# Altium PCB Main Board_V15.PcbDoc (part 3 of 5) (continued)
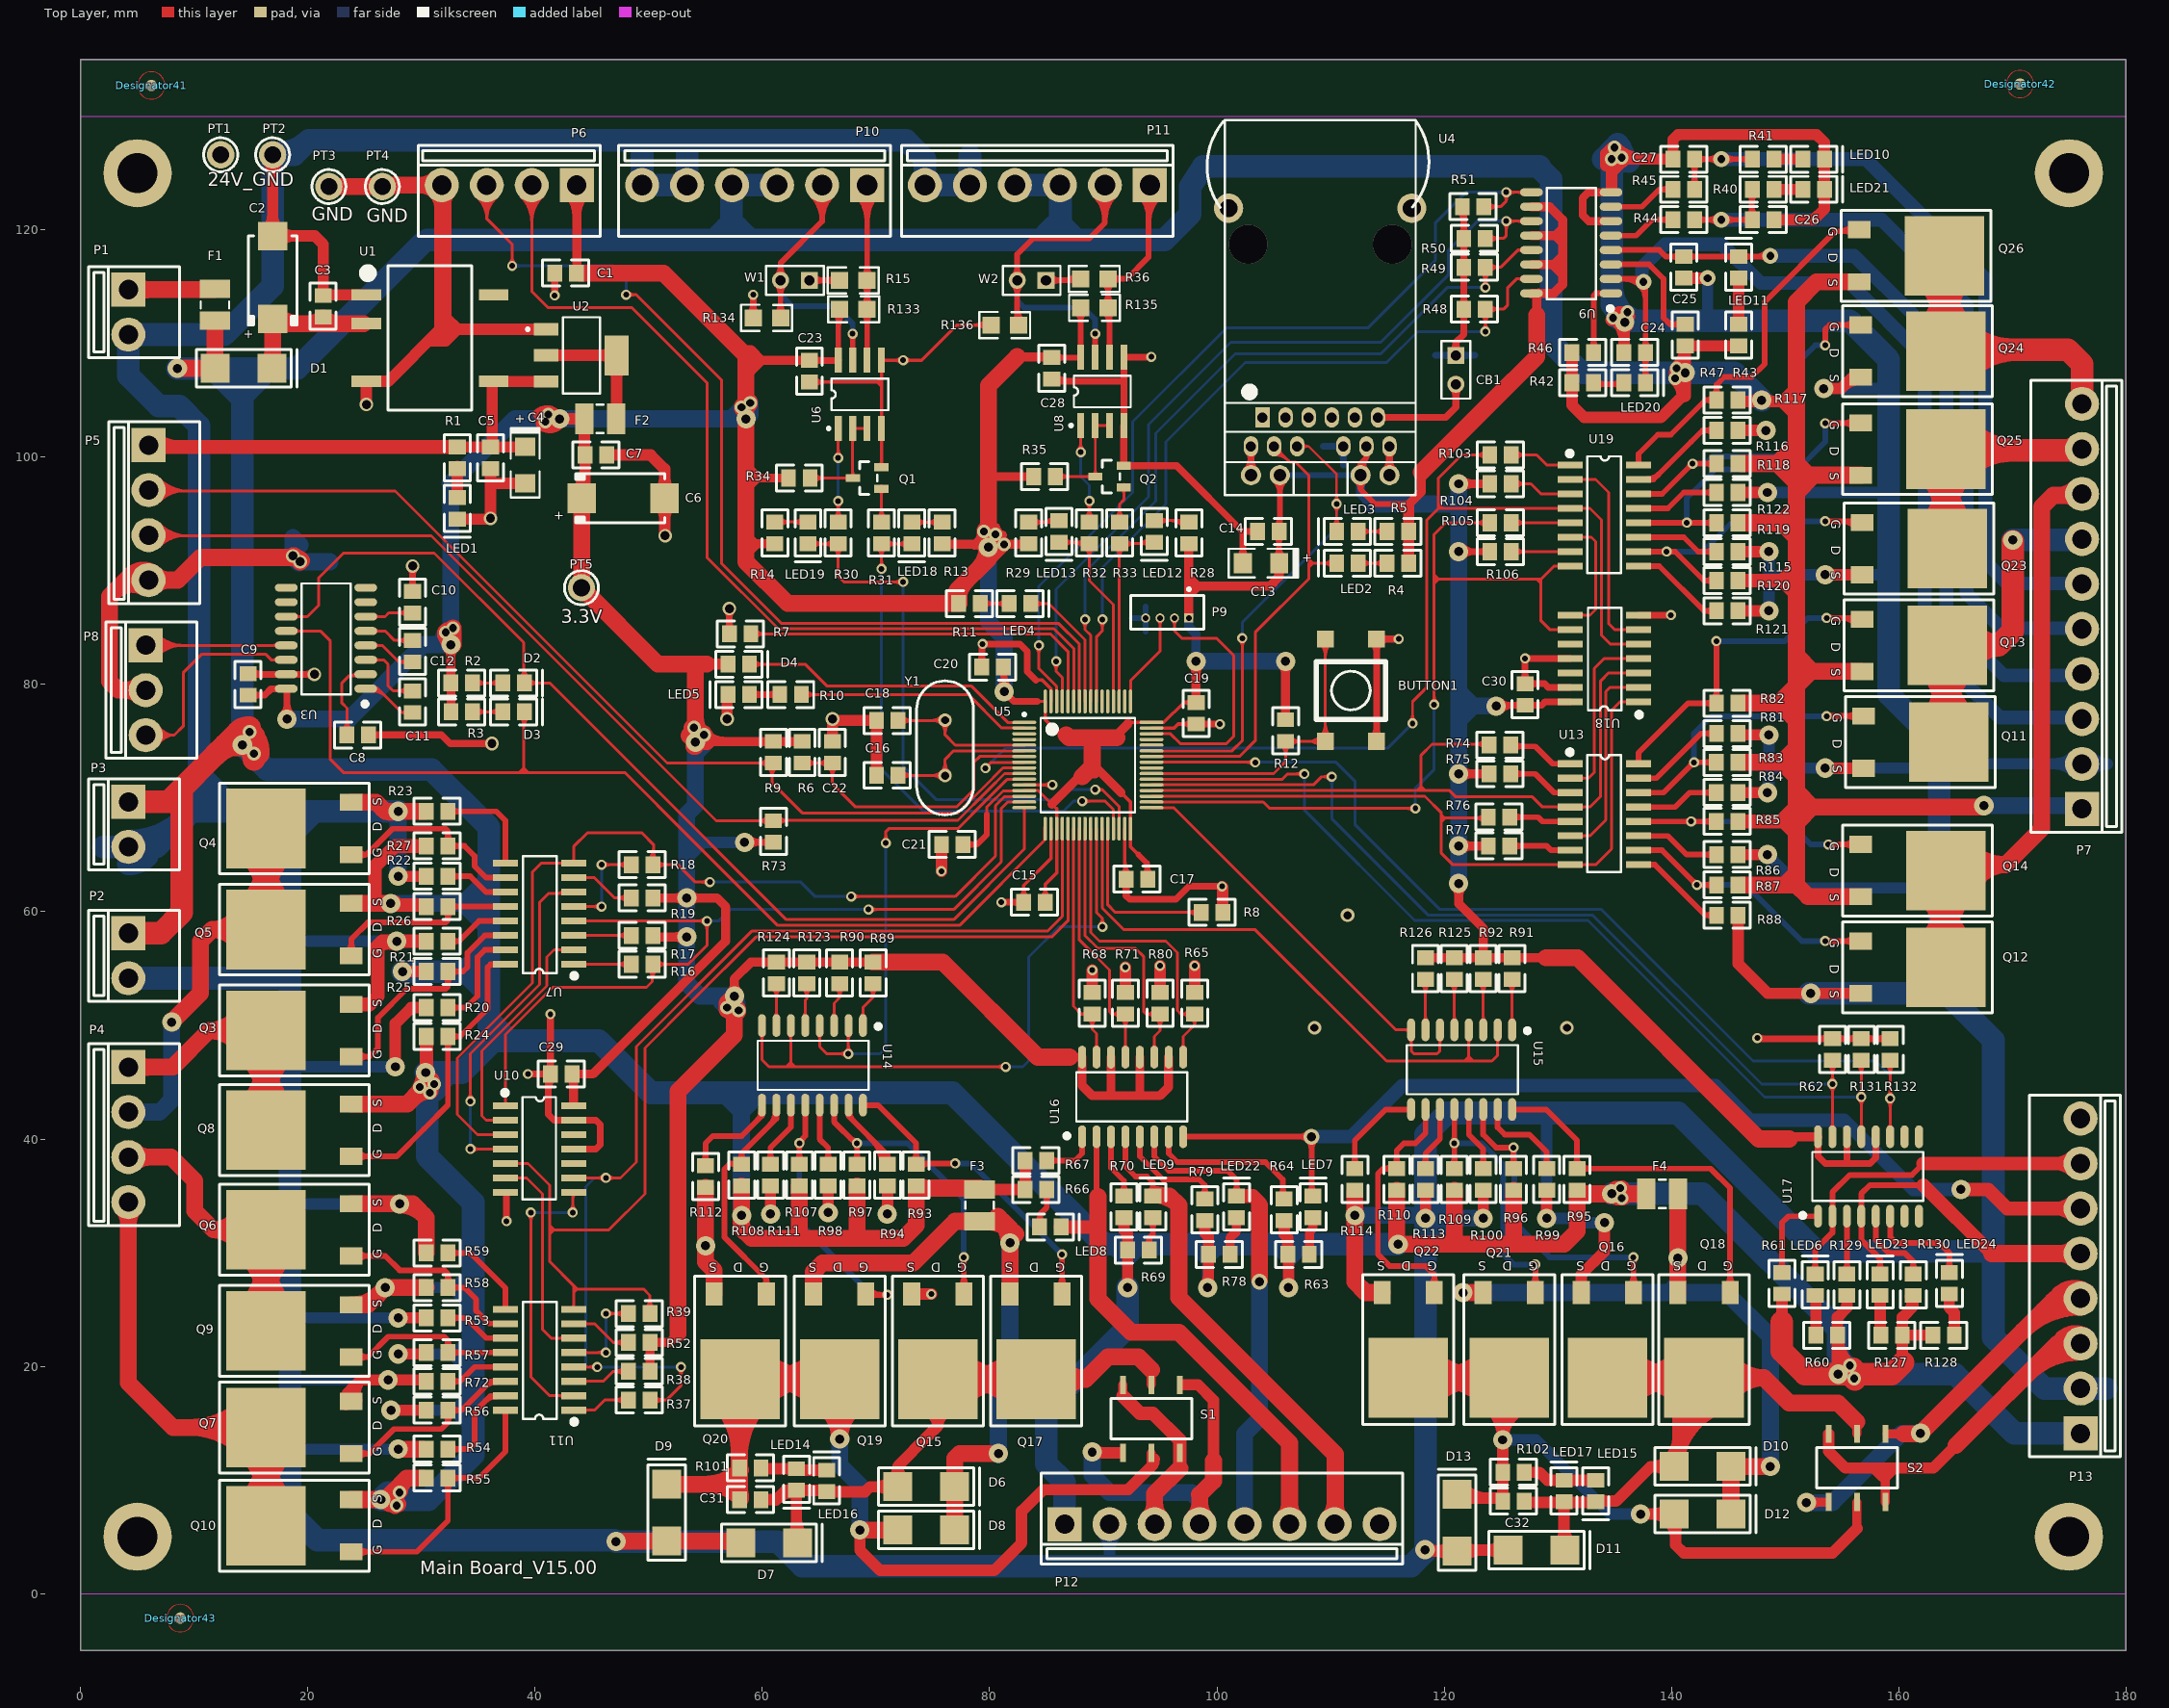
[diagram p0: Top Layer view]
## Nets (pads, with @x,y where several pads share a name; then routed paths per layer and width w, separated by ;. In a path a pad name is that pad's centre, name@x,y a point inside that pad or via, vN(x,y) a via of type N, cw(c..) or ccw(c..) an arc to the next point about the centre after c; other vN are vias at no path point) (continued)
  Top Layer w1.5: D9.2@51.562,9.612 57.764,9.612 57.978,9.398 ; 54.992,9.612 ccw(c54.992,13.935) R101.1@58.049,10.878 ; 55.185,9.612 cw(c55.185,5.562) C31.1@58.049,8.426 ; Q20.2@56.094,16.911 cw(c51.547,12.364) 57.978,12.364 ; 57.411,9.965 cw(c55.801,8.355) C31.1@58.078,8.355 ; C31.1@57.978,8.509 R101.1@57.978,11.049 Q20.2@57.978,18.983 ; 57.978,12.07 cw(c64.825,12.07) 59.984,16.911 cw(c64.985,11.91) Q19.2@64.985,18.983 ; Q20.2@58.039,18.983 66.675,18.983 Q19.2@66.802,18.856 v2(66.802,13.589) ; Q20.2@59.856,18.983 cw(c59.856,11.91) Q19.2@64.857,16.911 ; Q20.2@59.984,20.801 ccw(c64.371,25.188) Q19.2@64.371,18.983 ; Q20.2@60.47,18.983 ccw(c60.47,25.188) Q19.2@64.857,20.801 ; Q19.2@65.23,16.599 cw(c63.134,13.589) v2@66.802,13.589 ; Q19.2@68.374,16.599 ccw(c70.47,13.589) v2@66.802,13.589 ; v2(68.58,5.588) D8.1@71.922,5.588
  Bottom Layer w1.5: v2(66.802,13.589) 66.802,11.303 68.58,9.525 v2(68.58,5.588)
NetC31_2: C31.2 D6.1 D7.2 LED14.2 LED16.1 Q15.2 Q17.2 S1.2 | length 91
  Top Layer w0.8: S1.2@94.234,18.367 94.234,19.685
  Top Layer w1: C31.2@59.878,8.255 61.214,8.255 62.042,9.083 LED14.2@62.992,9.083 ; 61.185,8.226 cw(c62.892,6.519) LED14.2@62.892,8.933 ; 61.617,8.658 cw(c62.457,7.818) LED14.2@62.843,8.941 ; D7.2@62.535,4.989 ccw(c61.43,6.094) 62.992,6.094 ; D7.2@62.992,4.445 LED14.2@62.992,9.083 ; 62.992,6.514 ccw(c65.148,6.514) D7.2@63.623,4.989 ; 64.89,9.083 cw(c64.89,8.287) LED16.1@65.453,8.85 ; D6.1@71.378,8.854 ccw(c70.063,7.539) 70.063,9.398 ccw(c70.063,11.257) D6.1@71.378,9.942 ; D6.1@71.386,9.951 ccw(c70.161,11.216) 71.922,11.216 ; D6.1@72.458,9.951 cw(c73.683,11.216) 71.922,11.216 ; Q15.2@74.514,16.002 cw(c74.104,14.732) 75.438,14.732 ; Q15.2@75.438,18.856 75.438,14.732 ; Q15.2@76.362,16.002 ccw(c76.772,14.732) 75.438,14.732 ; LED14.2@62.992,9.083 65.532,9.083 LED16.1@65.659,8.956 69.027,8.956 69.469,9.398 D6.1@71.922,9.398 71.922,11.216 ; 71.922,11.216 74.612,13.906 75.438,14.732
  Top Layer w1.5: Q15.2@75.438,18.856 Q17.2@84.074,18.856 88.452,18.856 ; Q15.2@77.383,16.911 cw(c82.077,12.217) 82.077,18.856 cw(c82.077,25.495) Q15.2@77.383,20.801 ; Q17.2@82.129,16.911 ccw(c77.435,12.217) 77.435,18.856 ccw(c77.435,25.495) Q17.2@82.129,20.801 ; Q17.2@86.551,17.662 cw(c88.452,16.746) 88.452,18.856 ; Q17.2@86.551,20.05 ccw(c88.452,20.966) 88.452,18.856 ; 94.234,19.685 93.091,20.828 90.424,20.828 88.452,18.856
NetC32_1: C32.1 D12.1 D13.2 Q21.2 Q22.2 R102.1 S2.5 | length 103.9
  Top Layer w0.8: 156.337,5.715 S2.5@156.337,8.049
  Top Layer w1: D13.2@121.412,8.382 C32.1@124.947,8.382 ; D13.2@121.702,9.267 ccw(c123.84,11.405) 123.84,8.382 ; Q21.2@123.714,16.761 cw(c120.748,13.494) 125.161,13.494 cw(c128.167,13.494) Q21.2@126.947,16.241 ; 124.427,8.382 cw(c124.427,7.494) C32.1@125.055,8.122 ; C32.1@124.947,8.342 C32.1@125.161,8.128 R102.1@125.161,10.668 v2(125.161,13.523) ; v2@125.095,13.589 v2(125.161,13.523) ; 125.161,15.032 cw(c127.484,15.032) Q21.2@126.542,17.155 ; Q21.2@125.73,18.983 125.161,18.414 v2(125.161,13.523) ; v2(137.287,6.985) 140.375,6.985 140.375,4.278 141.097,3.556 150.749,3.556 154.178,3.556 156.337,5.715 ; D12.1@139.704,7.529 cw(c138.389,8.844) 138.389,6.985 cw(c138.389,5.126) 139.704,6.441 cw(c138.082,4.819) 140.375,4.819 ; 140.375,5.433 cw(c141.8,5.433) D12.1@140.792,6.441
  Top Layer w1.5: Q22.2@116.967,18.856 Q22.2@116.84,18.983 Q21.2@125.73,18.983 ; Q22.2@118.785,17.038 cw(c123.479,12.344) 123.479,18.983 cw(c123.479,25.622) Q22.2@118.785,20.928 ; Q21.2@123.785,17.038 ccw(c119.091,12.344) 119.091,18.983 ccw(c119.091,25.622) Q21.2@123.785,20.928
  Bottom Layer w1: v2(125.161,13.523) 128.082,13.523 134.62,6.985 v2@137.414,6.985
NetC32_2: C32.2 D10.1 D11.2 LED15.2 LED17.1 Q16.2 Q18.2 S2.2 | length 110.9
  Top Layer w0.8: S2.2@156.337,14.049 156.337,15.113
  Top Layer w1: C32.2@127.061,8.128 127.188,8.001 LED17.1@130.516,8.001 ; D11.2@130.099,4.354 ccw(c128.994,5.459) 130.556,5.459 ; D11.2@130.556,3.81 130.556,8.001 LED15.2@133.096,8.001 ; 130.556,5.879 ccw(c132.712,5.879) D11.2@131.187,4.354 ; LED15.2@133.665,8.133 135.133,8.133 138.176,11.176 D10.1@140.248,11.176 D10.1@139.867,11.557 ; Q16.2@134.366,18.983 Q16.2@134.427,18.922 ; D10.1@139.704,10.632 ccw(c138.389,9.317) 138.389,11.176 ccw(c138.389,13.035) 139.704,11.72 ccw(c137.566,13.858) 140.589,13.858 ; Q18.2@140.248,16.356 Q18.2@142.875,18.983 ccw(c144.439,15.465) 140.589,15.465 ; D10.1@140.589,10.849 cw(c146.491,10.849) Q18.2@144.094,16.242 ; D10.1@140.589,11.176 Q18.2@140.589,16.356 ; D10.1@140.589,12.387 cw(c145.807,12.387) Q18.2@143.687,17.155 ; 140.589,13.926 cw(c145.123,13.926) Q18.2@143.281,18.069
  Top Layer w1.5: Q16.2@134.366,18.983 Q18.2@142.875,18.983 148.149,18.983 ; Q16.2@136.311,17.038 cw(c141.005,12.344) 141.005,18.983 cw(c141.005,25.622) Q16.2@136.311,20.928 ; Q18.2@140.93,17.038 ccw(c136.236,12.344) 136.236,18.983 ccw(c136.236,25.622) Q18.2@140.93,20.928 ; Q18.2@145.13,17.409 cw(c148.149,15.301) 148.149,18.983 ; Q18.2@145.13,20.557 ccw(c148.149,22.665) 148.149,18.983 ; 156.337,15.113 154.686,16.764 150.368,16.764 148.149,18.983
NetCB1_2: CB1.2 U4.6 | length 12.2
  Top Layer w0.6: U4.6@114.173,103.505 120.142,103.505 121.031,104.394 CB1.2@121.031,106.426 ; U4.6@114.41,103.268 cw(c114.982,102.696) 114.982,103.505 cw(c114.982,104.314) U4.6@114.41,103.742 ; CB1.2@120.713,106.108 cw(c119.945,105.34) 121.031,105.34 cw(c122.117,105.34) CB1.2@121.349,106.108
NetD2_1: D2.1 R2.1 | length 6.6
  Top Layer w0.254: R2.1@34.478,80.137 D2.1@37.15,80.137 ; R2.1@34.848,79.767 cw(c35.741,78.874) 35.741,80.137 cw(c35.741,81.4) R2.1@34.848,80.507 ; D2.1@36.78,79.767 ccw(c35.887,78.874) 35.887,80.137 ccw(c35.887,81.4) D2.1@36.78,80.507
NetD3_1: D3.1 R3.1 | length 6.6
  Top Layer w0.254: R3.1@34.492,77.597 D3.1@37.15,77.597 ; R3.1@34.862,77.227 cw(c35.755,76.334) 35.755,77.597 cw(c35.755,78.86) R3.1@34.862,77.967 ; D3.1@36.78,77.227 ccw(c35.887,76.334) 35.887,77.597 ccw(c35.887,78.86) D3.1@36.78,77.967
NetD4_2: D4.2 U5.1 | length 28.4
  Top Layer w0.254: D4.2@58.801,81.788 63.754,81.788 65.659,79.883 78.359,79.883 81.58,76.662 U5.1@83.046,76.662 ; D4.2@59.232,81.418 cw(c60.125,80.525) 60.125,81.788 cw(c60.125,83.051) D4.2@59.232,82.158
NetD6_2: D6.2 D8.2 F3.1 Q17.3 Q19.3 | length 64.5
  Top Layer w1.5: Q19.3@64.502,26.356 64.502,28.307 65.278,29.083 73.279,29.083 76.959,32.763 F3.1@79.121,32.763 81.156,32.763 81.791,32.128 81.791,30.988 81.791,26.373 Q17.3@81.774,26.356 ; D8.2@76.922,5.588 D6.2@76.922,9.398 76.922,11.898 77.343,12.319 v2(80.772,12.319) ; F3.1@79.671,32.713 cw(c79.671,29.007) 82.291,31.628 ; F3.1@79.68,32.714 cw(c80.127,30.25) 81.898,32.021 ; 80.719,33.2 cw(c78.381,30.861) v2@81.688,30.861
  Bottom Layer w1.5: v2@80.772,12.192 80.772,18.415 81.788,19.431 v2(81.788,30.861)
NetD10_2: D10.2 D12.2 F4.1 Q18.3 Q21.3 | length 61.1
  Top Layer w1.5: v2@121.853,26.483 Q21.3@123.43,26.483 ; Q18.3@140.575,26.483 F4.1@140.575,34.925 ; D12.2@145.248,6.985 D10.2@145.248,11.176 v2(148.717,11.176)
  Bottom Layer w1.5: v2(121.666,26.477) 139.761,26.477 ; v2(140.575,29.525) 140.575,27.291 139.761,26.477 ; v2(148.717,11.176) 148.717,22.606 144.846,26.477 139.761,26.477
NetF2_1: F2.1 U2.2 U2.4 | length 17.3
  Top Layer w1: U2.2@41.275,108.966 U2.4@47.475,108.966 ; U2.4@46.762,107.884 cw(c45.781,106.903) 47.169,106.903 cw(c48.557,106.903) U2.4@47.576,107.884 ; U2.4@46.762,108.559 ccw(c45.781,107.578) 45.781,108.966 ccw(c45.781,110.354) U2.4@46.762,109.373 ; F2.1@46.908,104.14 ccw(c46.277,104.771) 47.169,104.771 ; F2.1@47.12,103.378 47.169,103.427 U2.4@47.169,108.966 U2.4@47.169,109.347
NetLED1_1: LED1.1 R1.2 | length 2.7
  Top Layer w1: R1.2@33.02,98.872 R1.2@33.147,98.999 ; LED1.1@33.147,96.647 R1.2@33.147,99.187
NetLED2_1: LED2.1 R4.1 | length 6.5
  Top Layer w0.254: LED2.1@112.442,90.678 R4.1@114.987,90.678 ; LED2.1@112.812,90.308 cw(c113.705,89.415) 113.705,90.678 cw(c113.705,91.941) LED2.1@112.812,91.048 ; R4.1@114.617,90.308 ccw(c113.724,89.415) 113.724,90.678 ccw(c113.724,91.941) R4.1@114.617,91.048
NetLED3_1: LED3.1 R5.1 | length 6.5
  Top Layer w0.254: LED3.1@112.442,93.472 R5.1@114.987,93.472 ; LED3.1@112.812,93.102 cw(c113.705,92.209) 113.705,93.472 cw(c113.705,94.735) LED3.1@112.812,93.842 ; R5.1@114.617,93.102 ccw(c113.724,92.209) 113.724,93.472 ccw(c113.724,94.735) R5.1@114.617,93.842
NetLED4_1: LED4.1 R11.2 | length 6.3
  Top Layer w0.3: R11.2@79.182,87.122 LED4.1@81.727,87.122 ; R11.2@79.536,86.768 cw(c80.389,85.915) 80.389,87.122 cw(c80.389,88.329) R11.2@79.536,87.476 ; LED4.1@81.373,86.768 ccw(c80.52,85.915) 80.52,87.122 ccw(c80.52,88.329) LED4.1@81.373,87.476
NetLED4_2: LED4.2 U5.57 | length 13.5
  Top Layer w0.254: LED4.2@83.627,87.122 85.217,87.122 85.344,86.995 88.396,83.943 U5.57@88.396,78.512 ; LED4.2@83.997,86.752 cw(c84.89,85.859) 84.89,87.122 cw(c84.89,88.385) LED4.2@83.997,87.492
NetLED5_1: LED5.1 R10.1 | length 5.3
  Top Layer w0.6: LED5.1@58.862,79.121 R10.1@61.534,79.121 ; LED5.1@59.109,78.874 cw(c59.707,78.276) 59.707,79.121 cw(c59.707,79.966) LED5.1@59.109,79.368 ; R10.1@61.287,78.874 ccw(c60.689,78.276) 60.689,79.121 ccw(c60.689,79.966) R10.1@61.287,79.368
NetLED6_1: LED6.1 R60.2 | length 3.5
  Top Layer w1: LED6.1@152.654,26.228 152.72,26.162 R60.2@152.72,22.733
NetLED7_1: LED7.1 R63.2 | length 3.4
  Top Layer w0.8: R63.2@108.138,29.845 108.138,31.811 108.458,32.131 LED7.1@108.458,33.086
NetLED8_1: LED8.1 R66.2 | length 6.8
  Top Layer w0.5: LED8.1@84.125,32.654 ccw(c83.445,33.401) 84.455,33.401 ; LED8.1@84.267,32.004 84.455,32.192 84.455,33.401 ; 84.455,33.176 ccw(c85.212,33.176) LED8.1@84.677,32.641 ; R66.2@84.741,35.177 cw(c84.058,34.494) 85.024,34.494 cw(c85.99,34.494) R66.2@85.307,35.177 ; R66.2@85.024,35.56 85.024,33.97 84.455,33.401
NetLED9_1: LED9.1 R69.2 | length 6
  Top Layer w0.5: R69.2@93.758,30.609 ccw(c93.075,31.292) 94.041,31.292 ccw(c95.007,31.292) R69.2@94.324,30.609 ; R69.2@94.041,30.226 94.041,31.303 94.361,31.623 LED9.1@94.361,33.086 ; LED9.1@94.078,32.803 cw(c93.395,32.12) 94.361,32.12 cw(c95.327,32.12) LED9.1@94.644,32.803
NetLED10_1: LED10.1 R41.2 | length 2.5
  Top Layer w1: R41.2@149.098,126.238 LED10.1@151.577,126.238
NetLED11_1: LED11.1 R43.2 | length 3.9
  Top Layer w1: R43.2@145.923,111.821 LED11.1@145.923,115.763
NetLED12_1: LED12.1 R28.1 | length 7.8
  Top Layer w0.254: LED12.1@94.488,94.422 97.395,94.422 R28.1@97.409,94.436 ; LED12.1@94.958,94.052 cw(c95.851,93.159) 95.851,94.422 cw(c95.851,95.685) LED12.1@94.958,94.792 ; 95.833,94.422 cw(c95.833,92.678) R28.1@97.066,93.911 ; 96.446,94.422 cw(c96.446,93.291) R28.1@97.246,94.091 ; 96.514,94.422 ccw(c96.514,95.203) R28.1@97.066,94.651
NetLED13_1: LED13.1 R29.1 | length 7.8
  Top Layer w0.254: R29.1@83.439,94.281 LED13.1@86.346,94.281 ; R29.1@83.909,93.911 cw(c84.802,93.018) 84.802,94.281 cw(c84.802,95.544) R29.1@83.909,94.651 ; 84.403,94.281 ccw(c84.403,96.025) LED13.1@85.636,94.792 ; 85.016,94.281 ccw(c85.016,95.412) LED13.1@85.816,94.612 ; 85.084,94.281 cw(c85.084,93.5) LED13.1@85.636,94.052 ; LED13.1@86.346,94.436 LED13.1@86.36,94.422
NetLED14_1: LED14.1 LED16.2 R101.2 | length 6.3
  Top Layer w1: R101.2@59.878,11.049 59.944,10.983 LED14.1@62.992,10.983 ; LED14.1@63.119,10.856 LED16.2@65.659,10.856 ; LED14.1@63.198,11.089 ccw(c63.761,11.652) 63.761,10.856
NetLED15_1: LED15.1 LED17.2 R102.2 | length 6.6
  Top Layer w1: R102.2@127.061,10.668 128.397,10.668 129.098,9.967 LED17.2@130.556,9.967 LED15.1@133.35,9.967
NetLED18_1: LED18.1 R13.1 | length 6.6
  Top Layer w0.254: LED18.1@73.152,94.281 R13.1@75.819,94.281 ; LED18.1@73.622,93.911 cw(c74.515,93.018) 74.515,94.281 cw(c74.515,95.544) LED18.1@73.622,94.651 ; R13.1@75.349,93.911 ccw(c74.456,93.018) 74.456,94.281 ccw(c74.456,95.544) R13.1@75.349,94.651
NetLED19_1: LED19.1 R14.1 | length 6.9
  Top Layer w0.254: R14.1@61.087,94.295 LED19.1@64.008,94.295 ; R14.1@61.557,93.925 cw(c62.45,93.032) 62.45,94.295 cw(c62.45,95.558) R14.1@61.557,94.665 ; LED19.1@63.538,93.925 ccw(c62.645,93.032) 62.645,94.295 ccw(c62.645,95.558) LED19.1@63.538,94.665
NetLED20_1: LED20.1 R42.2 | length 5.7
  Top Layer w0.5: R42.2@133.03,106.426 LED20.1@135.702,106.426 ; R42.2@133.44,106.17 cw(c134.057,105.553) 134.057,106.426 ; R42.2@133.44,106.736 ccw(c134.188,107.484) 134.188,106.426 ; 134.798,106.426 ccw(c134.798,107.484) LED20.1@135.546,106.736 ; 134.929,106.426 cw(c134.929,105.553) LED20.1@135.546,106.17
NetLED21_1: LED21.1 R40.2 | length 2.5
  Top Layer w1: R40.2@149.098,123.571 LED21.1@151.577,123.571
NetLED22_1: LED22.1 R78.1 | length 3.5
  Top Layer w0.8: R78.1@101.153,29.845 101.153,31.303 101.727,31.877 LED22.1@101.727,33.086
NetLED23_1: LED23.1 R127.1 | length 3.5
  Top Layer w1: LED23.1@158.369,26.228 158.369,22.799 R127.1@158.435,22.733
NetLED24_1: LED24.1 R128.1 | length 3.8
  Top Layer w1: LED24.1@164.465,26.355 164.465,25.146 164.907,24.704 R128.1@164.907,22.733
NetQ1_1: Q1.1 R31.1 | length 6.1
  Top Layer w0.254: R31.1@70.115,94.651 ccw(c69.222,95.544) 70.485,95.544 ccw(c71.748,95.544) R31.1@70.855,94.651 ; Q1.1@70.307,97.063 cw(c69.878,96.634) 70.485,96.634 ; Q1.1@70.465,97.475 Q1.1@70.485,97.455 ; R31.1@70.485,94.281 Q1.1@70.485,97.475 ; 70.485,96.731 cw(c70.955,96.731) Q1.1@70.623,97.063
NetQ1_3: Q1.3 R34.2 U6.2 U6.3 | length 14.9
  Top Layer w0.254: R34.2@64.135,98.171 Q1.3@67.904,98.171 ; R34.2@64.566,97.801 cw(c65.459,96.908) 65.459,98.171 cw(c65.459,99.434) R34.2@64.566,98.541 ; Q1.3@67.532,98.013 ccw(c67.152,97.633) 67.152,98.171 ccw(c67.152,98.709) Q1.3@67.532,98.329 ; Q1.3@67.807,98.329 ccw(c67.475,98.661) 67.945,98.661 ; U6.2@67.823,101.615 cw(c67.527,101.319) 67.945,101.319 cw(c68.363,101.319) U6.2@68.067,101.615 ; 67.945,98.758 ccw(c68.552,98.758) Q1.3@68.123,98.329 ; U6.2@67.945,102.537 U6.3@69.215,102.537 ; U6.2@67.945,102.616 67.945,98.445 Q1.3@67.965,98.425 ; U6.2@68.067,102.415 cw(c68.363,102.119) 68.363,102.537 cw(c68.363,102.955) U6.2@68.067,102.659 ; U6.3@69.093,102.415 ccw(c68.797,102.119) 68.797,102.537 ccw(c68.797,102.955) U6.3@69.093,102.659
NetQ2_1: Q2.1 R33.1 | length 6.3
  Top Layer w0.254: R33.1@91.07,94.665 ccw(c90.177,95.558) 91.44,95.558 ccw(c92.703,95.558) R33.1@91.81,94.665 ; R33.1@91.44,94.295 91.44,95.885 91.801,96.246 Q2.1@91.801,97.348 ; Q2.1@91.643,97.19 cw(c91.263,96.81) 91.801,96.81 cw(c92.339,96.81) Q2.1@91.959,97.19 ; Q2.1@91.801,97.602 91.801,97.328 Q2.1@91.821,97.308
NetQ2_3: Q2.3 R35.2 U8.2 U8.3 | length 14.9
  Top Layer w0.254: R35.2@85.786,98.298 Q2.3@89.301,98.298 89.301,102.771 U8.2@89.281,102.791 U8.3@90.551,102.791 ; R35.2@86.156,97.928 cw(c87.049,97.035) 87.049,98.298 cw(c87.049,99.561) R35.2@86.156,98.668 ; Q2.3@88.868,98.14 ccw(c88.488,97.76) 88.488,98.298 ccw(c88.488,98.836) Q2.3@88.868,98.456 ; Q2.3@89.143,98.456 ccw(c88.763,98.836) 89.301,98.836 ccw(c89.839,98.836) Q2.3@89.459,98.456 ; U8.2@89.159,101.869 cw(c88.815,101.525) 89.301,101.525 ; 89.301,101.622 cw(c89.65,101.622) U8.2@89.403,101.869 ; U8.2@89.403,102.669 cw(c89.699,102.373) 89.699,102.791 cw(c89.699,103.209) U8.2@89.403,102.913 ; U8.3@90.429,102.669 ccw(c90.133,102.373) 90.133,102.791 ccw(c90.133,103.209) U8.3@90.429,102.913
NetQ3_1: Q3.1 R25.1 U7.14 | length 26
  Top Layer w0.5: Q3.1@23.816,47.244 25.4,47.244 26.162,48.006 26.162,50.673 28.702,53.213 32.131,53.213 32.319,53.401 R25.1@32.319,54.737 33.655,54.737 34.036,55.118 34.036,56.388 35.56,57.912 U7.14@37.386,57.912 ; Q3.1@24.42,46.89 cw(c25.273,46.037) 25.273,47.244 cw(c25.273,48.451) Q3.1@24.42,47.598 ; R25.1@32.036,54.354 cw(c31.353,53.671) 32.319,53.671 cw(c33.285,53.671) R25.1@32.602,54.354 ; R25.1@32.602,54.454 cw(c33.285,53.771) 33.285,54.737 cw(c33.285,55.703) R25.1@32.602,55.02
NetQ4_1: Q4.1 R27.1 U7.10 | length 22.2
  Top Layer w0.5: Q4.1@23.816,65.024 25.146,65.024 ; Q4.1@24.447,64.701 cw(c25.146,64.108) 25.146,65.024 ; Q4.1@24.447,65.347 ccw(c25.146,65.94) 25.146,65.024 ; R27.1@32.036,66.169 ccw(c31.353,66.852) 32.319,66.852 ccw(c33.285,66.852) R27.1@32.602,66.169 ; R27.1@32.602,65.503 cw(c33.285,64.82) 33.285,65.786 cw(c33.285,66.752) R27.1@32.602,66.069 ; U7.10@37.386,62.992 35.687,62.992 34.671,64.008 34.671,64.897 33.782,65.786 R27.1@32.319,65.786 32.319,67.122 32.131,67.31 31.623,67.31 27.432,67.31 25.146,65.024
NetQ5_1: Q5.1 R26.1 U7.12 | length 21.9
  Top Layer w0.5: Q5.1@23.462,56.488 ccw(c22.609,57.341) 23.816,57.341 ccw(c25.023,57.341) Q5.1@24.17,56.488 ; Q5.1@23.816,56.134 23.816,57.598 25.273,59.055 32.126,59.055 32.319,59.248 R26.1@32.319,60.452 U7.12@37.386,60.452 ; R26.1@32.036,60.069 cw(c31.353,59.386) 32.319,59.386 cw(c33.285,59.386) R26.1@32.602,60.069 ; R26.1@32.602,60.169 cw(c33.285,59.486) 33.285,60.452 cw(c33.285,61.418) R26.1@32.602,60.735
NetQ6_1: Q6.1 R58.1 U11.10 | length 22.3
  Top Layer w0.5: Q6.1@23.816,29.704 26.811,29.704 28.067,28.448 32.004,28.448 32.319,28.133 R58.1@32.319,26.924 33.782,26.924 34.798,25.908 34.798,24.892 35.941,23.749 U11.10@37.386,23.749 ; Q6.1@24.42,29.35 cw(c25.273,28.497) 25.273,29.704 cw(c25.273,30.911) Q6.1@24.42,30.058 ; R58.1@32.036,27.307 ccw(c31.353,27.99) 32.319,27.99 ccw(c33.285,27.99) R58.1@32.602,27.307 ; R58.1@32.602,26.641 cw(c33.285,25.958) 33.285,26.924 cw(c33.285,27.89) R58.1@32.602,27.207
NetQ7_1: Q7.1 R56.1 U11.14 | length 23.7
  Top Layer w0.5: Q7.1@23.816,12.305 25.386,12.305 27.559,14.478 31.75,14.478 32.319,15.047 R56.1@32.319,16.129 33.528,16.129 36.068,18.669 U11.14@37.386,18.669 ; Q7.1@24.42,11.951 cw(c25.273,11.098) 25.273,12.305 cw(c25.273,13.512) Q7.1@24.42,12.659 ; R56.1@32.036,15.746 cw(c31.353,15.063) 32.319,15.063 cw(c33.285,15.063) R56.1@32.602,15.746 ; R56.1@32.602,15.846 cw(c33.285,15.163) 33.285,16.129 cw(c33.285,17.095) R56.1@32.602,16.412 ; 35.616,18.217 cw(c36.586,17.248) U11.14@36.586,18.619 ; 35.809,18.41 cw(c36.377,17.842) U11.14@36.574,18.621
NetQ8_1: Q8.1 R24.1 U7.16 | length 32
  Top Layer w0.5: Q8.1@23.816,38.481 27.813,38.481 30.226,40.894 32.319,42.987 R24.1@32.319,49.022 33.401,49.022 35.814,51.435 35.814,55.118 36.068,55.372 U7.16@37.386,55.372 ; Q8.1@24.42,38.127 cw(c25.273,37.274) 25.273,38.481 cw(c25.273,39.688) Q8.1@24.42,38.835 ; R24.1@32.036,48.639 cw(c31.353,47.956) 32.319,47.956 cw(c33.285,47.956) R24.1@32.602,48.639 ; R24.1@32.602,48.739 cw(c33.285,48.056) 33.285,49.022 cw(c33.285,49.988) R24.1@32.602,49.305 ; 35.809,55.113 cw(c36.377,54.545) U7.16@36.574,55.324
NetQ9_1: Q9.1 R57.1 U11.12 | length 20.4
  Top Layer w0.5: Q9.1@23.816,20.814 25.259,20.814 ; Q9.1@24.423,20.463 cw(c25.259,19.641) 25.259,20.814 ; Q9.1@24.423,21.165 ccw(c25.259,21.987) 25.259,20.814 ; R57.1@32.036,21.592 ccw(c31.353,22.275) 32.319,22.275 ccw(c33.285,22.275) R57.1@32.602,21.592 ; R57.1@32.602,20.926 cw(c33.285,20.243) 33.285,21.209 cw(c33.285,22.175) R57.1@32.602,21.492 ; U11.12@37.386,21.209 R57.1@32.319,21.209 32.319,22.291 32.004,22.606 27.051,22.606 25.259,20.814
NetQ10_1: Q10.1 R55.1 U11.16 | length 28
  Top Layer w0.5: Q10.1@23.816,3.669 29.577,3.669 32.319,6.411 R55.1@32.319,10.16 35.052,10.16 37.386,12.494 U11.16@37.386,16.129 ; Q10.1@24.42,3.315 cw(c25.273,2.462) 25.273,3.669 cw(c25.273,4.876) Q10.1@24.42,4.023 ; R55.1@32.036,9.777 cw(c31.353,9.094) 32.319,9.094 cw(c33.285,9.094) R55.1@32.602,9.777 ; R55.1@32.602,9.877 cw(c33.285,9.194) 33.285,10.16 cw(c33.285,11.126) R55.1@32.602,10.443
NetQ11_1: Q11.1 R83.1 U13.14 | length 32.8
  Top Layer w0.5: U13.14@137.112,70.485 139.319,70.485 v1(141.986,73.152) R83.1@143.957,73.152 ; v1@141.791,73.152 cw(c141.322,73.152) 141.654,72.82 cw(c141.986,72.488) v1@141.986,72.957 ; v1@142.124,73.014 cw(c142.456,72.682) 142.456,73.152 cw(c142.456,73.622) v1@142.124,73.29 ; R83.1@143.674,72.869 ccw(c142.991,72.186) 142.991,73.152 ccw(c142.991,74.118) R83.1@143.674,73.435 ; v1@153.67,77.23 Q11.1@156.905,77.23 ; v1@153.808,77.078 cw(c154.173,76.713) 154.173,77.23 ; Q11.1@156.301,76.876 ccw(c155.448,76.023) 155.448,77.23 ccw(c155.448,78.437) Q11.1@156.301,77.584
  Bottom Layer w0.5: v1@141.848,73.29 ccw(c141.516,73.622) 141.986,73.622 ccw(c142.456,73.622) v1@142.124,73.29 ; v1(141.986,73.152) 141.986,75.692 143.51,77.216 v1(153.67,77.216) ; v1@153.532,77.078 ccw(c153.2,76.746) 153.2,77.216 ccw(c153.2,77.686) v1@153.532,77.354
NetQ12_1: Q12.1 R87.1 U13.10 | length 31.7
  Top Layer w0.5: U13.10@137.112,65.405 139.192,65.405 v1(142.24,62.357) R87.1@143.971,62.357 ; v1@142.045,62.357 ccw(c141.576,62.357) 141.908,62.689 ccw(c142.24,63.021) v1@142.24,62.552 ; v1@142.378,62.219 cw(c142.71,61.887) 142.71,62.357 cw(c142.71,62.827) v1@142.378,62.495 ; R87.1@143.688,62.074 ccw(c143.005,61.391) 143.005,62.357 ccw(c143.005,63.323) R87.1@143.688,62.64 ; v1(153.543,57.418) Q12.1@156.651,57.418 ; v1@153.681,57.28 cw(c154.013,56.948) 154.013,57.418 cw(c154.013,57.888) v1@153.681,57.556 ; Q12.1@156.047,57.064 ccw(c155.194,56.211) 155.194,57.418 ccw(c155.194,58.625) Q12.1@156.047,57.772
  Bottom Layer w0.5: v1(142.24,62.357) 146.558,62.357 151.497,57.418 153.148,57.418 v1(153.543,57.418) ; v1@142.378,62.219 cw(c142.71,61.887) 142.71,62.357 cw(c142.71,62.827) v1@142.378,62.495 ; v1@153.405,57.28 ccw(c153.073,56.948) 153.073,57.418 ccw(c153.073,57.888) v1@153.405,57.556
NetQ13_1: Q13.1 R82.1 U13.16 | length 36.4
  Top Layer w0.5: U13.16@137.112,73.025 137.112,73.993 141.478,78.359 R82.1@143.971,78.359 v1(143.971,83.82) ; R82.1@143.688,78.076 ccw(c143.005,77.393) 143.005,78.359 ccw(c143.005,79.325) R82.1@143.688,78.642 ; R82.1@143.688,78.742 ccw(c143.005,79.425) 143.971,79.425 ccw(c144.937,79.425) R82.1@144.254,78.742 ; v1@143.833,83.682 cw(c143.501,83.35) 143.971,83.35 cw(c144.441,83.35) v1@144.109,83.682 ; v1@153.808,85.714 cw(c154.14,85.382) 154.14,85.852 cw(c154.14,86.322) v1@153.808,85.99 ; v1@153.864,85.852 Q13.1@156.718,85.852 ; 155.048,85.852 cw(c155.048,84.259) Q13.1@156.174,85.385 ; 155.594,85.852 ccw(c155.594,86.673) Q13.1@156.174,86.093
  Bottom Layer w0.5: v1(143.971,83.82) 149.987,83.82 152.019,85.852 v1(153.67,85.852) ; v1@144.109,83.682 cw(c144.441,83.35) 144.441,83.82 cw(c144.441,84.29) v1@144.109,83.958 ; v1@153.532,85.714 ccw(c153.2,85.382) 153.2,85.852 ccw(c153.2,86.322) v1@153.532,85.99
NetQ14_1: Q14.1 R85.1 U13.12 | length 29.1
  Top Layer w0.5: U13.12@137.747,67.945 R85.1@144.018,67.945 ; v1@141.594,67.807 ccw(c141.262,67.475) 141.262,67.945 ccw(c141.262,68.415) v1@141.594,68.083 ; v1@141.87,67.807 cw(c142.202,67.475) 142.202,67.945 cw(c142.202,68.415) v1@141.87,68.083 ; R85.1@143.674,67.662 ccw(c142.991,66.979) 142.991,67.945 ccw(c142.991,68.911) R85.1@143.674,68.228 ; v1(153.811,65.927) Q14.1@156.651,65.927 ; v1@153.949,65.789 cw(c154.281,65.457) 154.281,65.927 cw(c154.281,66.397) v1@153.949,66.065 ; Q14.1@156.047,65.573 ccw(c155.194,64.72) 155.194,65.927 ccw(c155.194,67.134) Q14.1@156.047,66.281
  Bottom Layer w0.5: v1(141.732,67.945) 150.241,67.945 152.259,65.927 v1(153.811,65.927) ; v1@141.87,67.807 cw(c142.202,67.475) 142.202,67.945 cw(c142.202,68.415) v1@141.87,68.083 ; v1@153.673,65.789 ccw(c153.341,65.457) 153.341,65.927 ccw(c153.341,66.397) v1@153.673,66.065
NetQ15_1: Q15.1 R97.1 U14.14 | length 32.7
  Top Layer w0.5: U14.14@66.308,42.982 66.308,41.783 66.308,41.515 68.199,39.624 v1@68.453,39.624 ; 67.777,40.046 ccw(c68.326,40.595) v1@68.326,39.819 ; R97.1@68.043,38.063 ccw(c67.36,38.746) 68.326,38.746 ccw(c69.292,38.746) R97.1@68.609,38.063 ; v1@68.188,39.486 cw(c67.856,39.154) 68.326,39.154 cw(c68.796,39.154) v1@68.464,39.486 ; R97.1@68.326,37.78 v1(68.326,39.624) ; Q15.1@77.384,26.96 ccw(c76.531,27.813) 77.738,27.813 ccw(c78.945,27.813) Q15.1@78.092,26.96 ; v1@77.586,29.453 cw(c77.221,29.088) 77.738,29.088 ; v1(77.724,29.591) 77.738,29.577 Q15.1@77.738,26.356
  Bottom Layer w0.5: v1(68.326,39.624) 72.771,39.624 77.724,34.671 v1(77.724,29.591) ; v1@68.464,39.486 cw(c68.796,39.154) 68.796,39.624 cw(c68.796,40.094) v1@68.464,39.762 ; v1@77.586,29.729 ccw(c77.254,30.061) 77.724,30.061 ccw(c78.194,30.061) v1@77.862,29.729
NetQ16_1: Q16.1 R96.1 U15.14 | length 35
  Top Layer w0.5: U15.14@123.444,42.601 123.444,41.275 123.444,41.021 123.444,40.386 124.587,39.243 v1(126.111,39.243) R96.1@126.111,37.399 ; R96.1@125.828,37.682 ccw(c125.145,38.365) 126.111,38.365 ccw(c127.077,38.365) R96.1@126.394,37.682 ; v1@125.973,39.381 cw(c125.641,39.713) 125.641,39.243 cw(c125.641,38.773) 125.973,39.105 cw(c125.641,38.773) 126.111,38.773 cw(c126.581,38.773) v1@126.249,39.105 ; Q16.1@136.312,27.087 ccw(c135.459,27.94) 136.666,27.94 ccw(c137.873,27.94) Q16.1@137.02,27.087 ; v1@136.528,29.453 cw(c136.196,29.121) 136.666,29.121 cw(c137.136,29.121) v1@136.804,29.453 ; Q16.1@136.666,26.483 v1(136.666,29.591)
  Bottom Layer w0.5: v1(126.111,39.243) 126.176,39.178 126.176,32.701 129.286,29.591 v1(136.666,29.591) ; v1@136.528,29.453 ccw(c136.196,29.121) 136.196,29.591 ccw(c136.196,30.061) v1@136.528,29.729
NetQ17_1: Q17.1 R93.1 U14.16 | length 35.1
  Top Layer w0.5: U14.16@68.848,42.982 70.175,42.982 73.533,39.624 R93.1@73.533,37.78 ; R93.1@73.25,38.063 ccw(c72.567,38.746) 73.533,38.746 ccw(c74.499,38.746) R93.1@73.816,38.063 ; R93.1@73.599,37.846 v1(76.962,37.846) v1@76.896,37.78 ; R93.1@73.916,37.497 cw(c74.758,36.655) 74.758,37.846 ; R93.1@73.916,38.063 ccw(c74.439,38.586) 74.439,37.846 ; v1@76.824,37.708 ccw(c76.492,37.376) 76.492,37.846 ccw(c76.492,38.316) v1@76.824,37.984 ; Q17.1@86.02,26.96 ccw(c85.167,27.813) 86.374,27.813 ccw(c87.581,27.813) Q17.1@86.728,26.96 ; v1@86.222,29.707 cw(c85.857,29.342) 86.374,29.342 ; v1(86.36,29.845) 86.374,29.831 Q17.1@86.374,26.356
  Bottom Layer w0.5: v1(76.962,37.846) 78.359,37.846 v1(86.36,29.845) ; v1@77.1,37.708 cw(c77.432,37.376) 77.432,37.846 cw(c77.432,38.316) v1@77.1,37.984 ; v1@86.165,29.845 ccw(c85.696,29.845) 86.028,30.177 ccw(c86.36,30.509) v1@86.36,30.04
NetQ18_1: Q18.1 R95.1 U15.16 | length 37.6
  Top Layer w0.5: U15.16@125.984,42.601 128.976,42.601 131.699,39.878 R95.1@131.699,37.399 143.449,37.399 145.175,35.673 Q18.1@145.175,26.483 ; R95.1@131.416,37.682 ccw(c130.733,38.365) 131.699,38.365 ccw(c132.665,38.365) R95.1@131.982,37.682 ; R95.1@132.082,37.116 cw(c132.765,36.433) 132.765,37.399 cw(c132.765,38.365) R95.1@132.082,37.682 ; Q18.1@144.821,27.087 ccw(c143.968,27.94) 145.175,27.94 ccw(c146.382,27.94) Q18.1@145.529,27.087
NetQ19_1: Q19.1 R107.1 U14.12 | length 30.9
  Top Layer w0.5: R107.1@62.963,38.063 ccw(c62.28,38.746) 63.246,38.746 ccw(c64.212,38.746) R107.1@63.529,38.063 ; v1@63.108,39.486 cw(c62.776,39.154) 63.246,39.154 cw(c63.716,39.154) v1@63.384,39.486 ; R107.1@63.246,37.78 63.246,39.751 63.768,40.273 U14.12@63.768,42.22 ; v1@63.441,39.624 cw(c64.217,39.624) 63.668,40.173 ; Q19.1@69.102,26.356 69.169,26.289 v1(70.993,26.289) ; Q19.1@69.456,26.002 cw(c70.147,25.311) 70.147,26.289 ; Q19.1@69.456,26.71 ccw(c70.471,27.725) 70.471,26.289 ; v1@70.855,26.151 ccw(c70.523,25.819) 70.523,26.289 ccw(c70.523,26.759) v1@70.855,26.427
  Bottom Layer w0.5: v1@63.108,39.486 cw(c62.776,39.154) 63.246,39.154 cw(c63.716,39.154) v1@63.384,39.486 ; v1(63.246,39.624) 63.246,32.639 66.421,29.464 69.596,26.289 v1(70.993,26.289) ; v1@70.855,26.151 ccw(c70.523,25.819) 70.523,26.289 ccw(c70.523,26.759) v1@70.855,26.427
NetQ20_1: Q20.1 R108.1 U14.10 | length 26.1
  Top Layer w0.5: 57.26,37.846 ccw(c57.26,38.586) R108.1@57.783,38.063 ; R108.1@57.743,37.544 ccw(c57.15,37.113) 57.15,37.846 ; R108.1@57.885,38.065 ccw(c57.226,38.735) 58.166,38.735 ; R108.1@58.447,38.065 cw(c59.106,38.735) 58.166,38.735 ; Q20.1@60.019,26.99 ccw(c59.453,27.672) 60.339,27.672 ; Q20.1@60.339,26.483 60.339,27.672 ; Q20.1@60.659,26.99 cw(c61.225,27.672) 60.339,27.672 ; 60.679,41.248 ccw(c59.595,42.332) U14.10@61.128,42.332 ; U14.10@61.228,42.982 61.228,41.797 58.166,38.735 ; 57.15,37.846 58.1,37.846 R108.1@58.166,37.78 58.166,38.735 ; 57.15,37.846 56.642,37.338 56.642,31.369 60.339,27.672
NetQ21_1: Q21.1 R109.1 U15.12 | length 30.6
  Top Layer w0.5: R109.1@120.621,37.682 ccw(c119.938,38.365) 120.904,38.365 ccw(c121.87,38.365) R109.1@121.187,37.682 ; v1@120.766,39.486 cw(c120.434,39.154) 120.904,39.154 cw(c121.374,39.154) v1@121.042,39.486 ; v1@120.766,39.762 ccw(c120.434,40.094) 120.904,40.094 ccw(c121.374,40.094) v1@121.042,39.762 ; R109.1@120.904,37.399 U15.12@120.904,42.601 ; Q21.1@127.676,27.087 ccw(c126.823,27.94) 128.03,27.94 ccw(c129.237,27.94) Q21.1@128.384,27.087 ; v1@127.878,28.818 cw(c127.513,28.453) 128.03,28.453 ; v1(128.016,28.956) 128.03,28.942 Q21.1@128.03,26.483
  Bottom Layer w0.5: v1(120.904,39.624) 123.317,39.624 125.222,37.719 125.222,29.845 126.111,28.956 v1(128.016,28.956) ; v1@121.042,39.486 cw(c121.374,39.154) 121.374,39.624 cw(c121.374,40.094) v1@121.042,39.762 ; v1@127.878,28.818 ccw(c127.546,28.486) 127.546,28.956 ccw(c127.546,29.426) v1@127.878,29.094